# Allegro board S071AA-0413-20260427_Power.brd (continued)
## Routing (per net, layer and track width the routed paths; a pad name or vN(x,y) marks a point on that pad's centre or on a via; arc(x,y) is an arc through that point) (continued)
S1_DCH117: length 195.6
  L18_DIG w0.076: 138.29,217.83 139.92,217.83 v1(140.32,217.43)
  L18_DIG w0.132: 138.29,217.83 137.19,218.94 137.19,231.48 134.5,234.16 134.5,277.8 171.72,315.01 171.72,392.43 172.99,393.7
S1_DCH118: length 185.8
  L20_DIG w0.076: 138.29,216.23 140.72,216.23 v1(141.12,216.63)
  L20_DIG w0.132: 200.93,370.84 199.67,369.58 199.67,317.63 137.85,255.82 137.85,224.53 135.92,222.6 135.92,218.06 137.74,216.23 138.29,216.23
S1_DCH119: length 228.7
  L22_DIG w0.132: 246.65,373.38 245.57,372.31 245.57,306.4 205.5,266.32 155.69,266.32 139.37,250 139.37,243.06 138.15,241.84 138.15,219.6 v1(138.72,219.03)
S1_DCH120: length 175.9
  L07_DIG w0.076: v1(139.52,218.23) 139.12,218.63 138.5,218.63 138.29,218.83
  L07_DIG w0.132: 172.99,373.38 171.81,372.2 171.81,321.38 163.27,312.84 163.27,285.99 145.16,267.89 143.81,267.89 141.86,265.94 140.91,265.94 139.89,264.92 139.89,262.62 134.03,256.75 134.03,241.89 135.89,240.03 135.89,230.66 137.87,228.67 137.87,224.37 137.17,223.67 137.17,219.96 138.29,218.83
S1_DCH121: length 182.5
  L07_DIG w0.076: 148.72,206.68 148.72,208.23 v1(148.32,208.63)
  L07_DIG w0.132: 241.57,76.2 237.32,71.95 232.31,71.95 213.15,91.1 213.15,128.86 149.73,192.28 149.73,205.67 148.72,206.68
S1_DCH122: length 207.4
  L22_DIG w0.132: 162.83,76.2 169.09,69.94 205.23,69.94 207.7,72.41 207.7,134.87 150.44,192.13 150.44,205.71 v1(149.12,207.03)
S1_DCH123: length 184.1
  L18_DIG w0.076: 148.72,206.68 148.72,209.03 v1(148.32,209.43)
  L18_DIG w0.132: 175.53,78.74 180.31,83.52 202.87,83.52 210.42,91.08 210.42,132.44 151.2,191.66 151.2,204.2 148.72,206.68
S1_DCH124: length 175.7
  L05_DIG w0.076: 149.52,206.68 149.52,207.43 v1(149.12,207.83)
  L05_DIG w0.132: 185.69,78.74 192.97,86.02 206.54,86.02 214.13,93.62 214.13,129.38 149.93,193.59 149.93,206.27 149.52,206.68
S1_DCH125: length 186
  L18_DIG w0.076: 147.92,206.68 147.92,209.03 v1(147.52,209.43)
  L18_DIG w0.132: 170.45,78.74 177.87,86.16 202.01,86.16 208.64,92.79 208.64,131.44 150.15,189.94 150.15,204.45 147.92,206.68
S1_DCH126: length 130.2
  L03_DIG w0.132: 193.31,96.52 194.54,97.75 194.54,145.11 149.91,189.73 149.91,205.44 v1(148.32,207.03)
S1_DCH127: length 209.1
  L24_DIG w0.076: 148.72,206.68 148.72,207.43 v1(148.32,207.83)
  L24_DIG w0.132: 170.45,58.42 180.33,68.3 205.53,68.3 213.58,76.36 213.58,102.87 199.31,117.14 199.31,143.94 149.81,193.44 149.81,205.59 148.72,206.68
S1_DCH128: length 187.4
  L18_DIG w0.076: 147.12,206.68 147.12,209.03 v1(146.72,209.43)
  L18_DIG w0.132: 147.12,206.68 147.12,190.41 206.18,131.35 206.18,93.61 201.12,88.55 175.18,88.55 165.37,78.74
S1_DCH129: length 192.1
  L07_DIG w0.076: 147.12,206.68 147.12,208.23 v1(146.72,208.63)
  L07_DIG w0.132: 147.12,206.68 147.12,192.16 210.19,129.09 210.19,90.1 230.15,70.13 240.58,70.13 246.65,76.2
S1_DCH130: length 209.4
  L24_DIG w0.076: 147.12,206.68 147.12,207.43 v1(146.72,207.83)
  L24_DIG w0.132: 165.37,58.42 178.13,71.18 203.69,71.18 210.39,77.87 210.39,101.54 196.12,115.81 196.12,143.98 147.12,192.98 147.12,206.68
S1_DCH131: length 198.8
  L22_DIG w0.076: 147.92,206.68 147.92,207.43 v1(147.52,207.83)
  L22_DIG w0.132: 167.91,76.2 172.46,71.65 204,71.65 205.54,73.18 205.54,133.97 149.88,189.63 149.88,204.72 147.92,206.68
S1_DCH132: length 185.1
  L20_DIG w0.076: 147.92,206.68 147.92,208.23 v1(147.52,208.63)
  L20_DIG w0.132: 147.92,206.68 149.78,204.82 149.78,190.1 207.75,132.13 207.75,93.35 202.83,88.43 180.04,88.43 174.22,82.6 174.22,77.43 172.99,76.2
S1_DCH133: length 258.3
  L24_DIG w0.076: v1(143.52,221.43) 143.92,221.83 143.92,222.61
  L24_DIG w0.132: 143.92,222.61 143.92,223.19 145.53,224.8 145.53,229.67 144.44,230.76 144.44,231.66 145.2,232.42 145.2,233.01 144.53,233.68 144.53,234.67 145.53,235.67 145.53,248.07 155.03,257.57 217.06,257.57 236.91,277.42 236.91,279.72 241.57,284.38 243.87,284.38 255.56,296.07 255.56,392.45 256.81,393.7
S1_DCH134: length 129.8
  L03_DIG w0.132: v1(143.52,222.23) 145.15,223.86 145.15,230.07 144.48,230.74 144.48,231.88 144.82,232.21 144.82,233.16 144.56,233.42 144.56,234.67 145.15,235.26 145.15,256.97 187.05,298.88 187.05,331.56 188.23,332.74
S1_DCH135: length 195.4
  L18_DIG w0.076: v1(144.32,219.83) 144.72,220.23 144.72,222.58
  L18_DIG w0.132: 193.31,393.7 192.09,392.48 192.09,310.05 145.87,263.83 145.87,235.94 144.44,234.52 144.44,233.81 145.08,233.17 145.08,232.45 144.48,231.85 144.48,230.76 145.3,229.94 145.3,223.16 144.72,222.58
S1_DCH136: length 205.8
  L20_DIG w0.076: 144.72,222.61 144.72,221.03 v1(144.32,220.63)
  L20_DIG w0.132: 269.51,330.2 268.24,328.94 268.24,292.37 239.37,263.5 163.6,263.5 147.5,247.39 147.5,229.63 145.87,228 145.87,223.75 144.72,222.61
S1_DCH137: length 147
  L05_DIG w0.076: 144.72,222.61 144.72,221.83 v1(144.32,221.43)
  L05_DIG w0.132: 144.72,222.61 145.24,223.13 145.24,228.21 143.6,229.85 143.6,235.61 145.24,237.25 145.24,270.82 165.61,291.19 165.61,292.34 176.88,303.61 176.88,351.87 178.07,353.06
S1_DCH138: length 128.3
  L03_DIG w0.132: v1(144.32,222.23) 146.07,223.99 146.07,228.4 147.45,229.78 147.45,237.06 146.07,238.43 146.07,248.42 147.66,250.01 147.66,253.47 189.53,295.34 189.53,328.96 190.77,330.2
S1_DCH139: length 227.9
  L22_DIG w0.076: v1(145.12,221.43) 145.52,221.83 145.52,222.61
  L22_DIG w0.132: 254.27,370.84 253.17,369.74 253.17,302.07 240.75,289.64 240.75,286.77 235.25,281.28 235.25,279.72 213.69,258.15 156.89,258.15 147.37,248.63 147.37,224.45 145.52,222.61
S1_DCH140: length 254.6
  L24_DIG w0.132: v1(145.12,222.23) 147.39,224.5 147.39,247.03 156.13,255.77 220.22,255.77 230.9,266.45 230.9,267.87 234.48,271.44 235.9,271.44 258.05,293.6 258.05,389.86 259.35,391.16
S1_DCH141: length 191.3
  L18_DIG w0.076: 143.92,222.58 143.92,220.23 v1(143.52,219.83)
  L18_DIG w0.132: 143.92,222.58 143.92,224.2 143.48,224.64 143.48,261.63 144.37,262.52 144.37,266.44 170.56,292.63 170.56,293.91 189.49,312.84 189.49,389.88 190.77,391.16
S1_DCH142: length 228.2
  L20_DIG w0.076: 143.92,222.61 143.92,221.03 v1(143.52,220.63)
  L20_DIG w0.132: 266.97,353.06 265.78,351.87 265.78,294.29 238.48,266.99 164.26,266.99 145.12,247.85 145.12,235.27 144.49,234.64 144.49,233.96 145.12,233.33 145.12,232.37 144.4,231.66 144.4,230.84 145.12,230.12 145.12,223.81 143.92,222.61
S1_DCH143: length 193.5
  L18_DIG w0.076: 143.12,222.58 143.12,220.23 v1(142.72,219.83)
  L18_DIG w0.132: 143.12,222.58 143.12,243.57 142.2,244.48 142.2,267.9 165.41,291.1 165.41,292.01 186.96,313.56 186.96,392.43 188.23,393.7
S1_DCH144: length 223.7
  L20_DIG w0.076: v1(142.72,220.63) 143.12,221.03 143.12,222.61
  L20_DIG w0.132: 264.43,350.52 263.21,349.31 263.21,293.98 238.82,269.59 164.65,269.59 143.56,248.5 143.56,223.05 143.12,222.61
S1_DCH145: length 229.4
  L22_DIG w0.076: 143.12,222.61 143.12,221.83 v1(142.72,221.43)
  L22_DIG w0.132: 143.12,222.61 143.12,247.89 156.64,261.41 211.81,261.41 237.13,286.73 237.13,289.45 250.6,302.92 250.6,372.26 251.73,373.38
S1_DCH146: length 251.1
  L24_DIG w0.132: v1(142.72,222.23) 142.72,223.52 143.4,224.2 143.4,248.7 155.93,261.23 215.51,261.23 228.94,274.66 228.94,276.22 233.8,281.08 235.61,281.08 253.01,298.48 253.01,389.9 254.27,391.16
S1_DCH147: length 171.9
  L07_DIG w0.076: v1(141.92,220.63) 142.32,221.03 142.32,222.61
  L07_DIG w0.132: 142.32,222.61 143.52,223.81 143.52,233.61 145.26,235.35 145.26,250.27 176.97,281.98 176.97,284.84 187.01,294.88 187.01,372.16 188.23,373.38
S1_DCH148: length 143
  L05_DIG w0.076: v1(141.92,221.43) 142.32,221.83 142.32,222.61
  L05_DIG w0.132: 175.53,350.52 174.32,349.32 174.32,303.58 162.73,291.99 162.73,290.89 142.32,270.48 142.32,222.61
S1_DCH149: length 184.7
  L20_DIG w0.076: 149.52,206.68 149.52,208.23 v1(149.12,208.63)
  L20_DIG w0.132: 149.52,206.68 150.4,205.8 150.4,193.29 210.83,132.86 210.83,91.47 205.39,86.03 182.91,86.03 179.42,82.54 179.42,77.55 178.07,76.2
S1_DCH150: length 186.4
  L18_DIG w0.076: 149.52,206.68 149.52,209.03 v1(149.12,209.43)
  L18_DIG w0.132: 254.27,78.74 250.22,82.79 229.52,82.79 211.89,100.41 211.89,133.41 152.85,192.45 152.85,203.35 149.52,206.68
S1_DCH151: length 128.1
  L03_DIG w0.132: v1(149.92,207.03) 150.42,206.52 150.42,193.4 197.17,146.66 197.17,100.38 195.85,99.06
S1_DCH152: length 207.7
  L24_DIG w0.076: 150.32,206.68 150.32,207.43 v1(149.92,207.83)
  L24_DIG w0.132: 150.32,206.68 150.32,194.95 201.51,143.76 201.51,118.05 215.78,103.78 215.78,74.2 207.33,65.75 182.86,65.75 175.53,58.42
S1_DCH153: length 168.3
  L07_DIG w0.076: 150.32,206.68 150.32,208.23 v1(149.92,208.63)
  L07_DIG w0.132: 236.49,76.2 215.55,97.14 215.55,129.85 150.32,195.08 150.32,206.68
S1_DCH154: length 189.4
  L18_DIG w0.076: 150.32,206.68 150.32,209.03 v1(149.92,209.43)
  L18_DIG w0.132: 150.32,206.68 153.69,203.31 153.69,194.25 213.84,134.09 213.84,101.37 230.75,84.46 253.63,84.46 259.35,78.74
S1_DCH155: length 189.7
  L22_DIG w0.132: v1(150.72,207.03) 151.14,206.61 151.14,193.73 209.33,135.54 209.33,70.08 206.06,66.82 194.09,66.82 185.69,58.42
S1_DCH156: length 176.6
  L05_DIG w0.076: 151.12,206.68 151.12,207.43 v1(150.72,207.83)
  L05_DIG w0.132: 190.77,78.74 195.24,83.22 210.35,83.22 217.44,90.31 217.44,130.24 151.12,196.56 151.12,206.68
S1_DCH157: length 184.9
  L20_DIG w0.076: v1(150.72,208.63) 151.12,208.23 151.12,206.68
  L20_DIG w0.132: 151.12,206.68 151.12,196.64 214.25,133.5 214.25,89.28 208.44,83.47 185.85,83.47 184.45,82.07 184.45,77.5 183.15,76.2
S1_DCH158: length 192.5
  L18_DIG w0.076: v1(150.72,209.43) 151.12,209.03 151.12,206.68
  L18_DIG w0.132: 151.12,206.68 155.34,202.46 155.34,195.11 215.86,134.58 215.86,102.15 231.64,86.38 256.79,86.38 264.43,78.74
S1_DCH159: length 188.9
  L22_DIG w0.076: v1(151.52,207.83) 151.92,207.43 151.92,206.68
  L22_DIG w0.132: 190.77,58.42 197.09,64.74 207.51,64.74 211.45,68.69 211.45,138.48 152.65,197.29 152.65,203 151.92,203.72 151.92,206.68
S1_DCH160: length 205.5
  L24_DIG w0.132: 180.61,58.42 185.38,63.19 208.79,63.19 218.23,72.64 218.23,104.79 203.96,119.06 203.96,143.46 152.61,194.81 152.61,205.93 v1(151.52,207.03)
S1_DCH161: length 130.6
  L03_DIG w0.132: 198.39,96.52 199.63,97.76 199.63,150.18 153.73,196.08 153.73,205.62 v1(152.32,207.03)
S1_DCH162: length 185.7
  L24_DIG w0.132: 236.49,55.88 220.38,71.99 220.38,105.68 206.11,119.95 206.11,146.39 155.06,197.43 155.06,205.09 v1(153.12,207.03)
S1_DCH163: length 166.1
  L07_DIG w0.076: v1(151.52,208.63) 151.92,208.23 151.92,206.68
  L07_DIG w0.132: 151.92,206.68 152.68,205.92 152.68,197.58 218.99,131.28 218.99,98.78 239.03,78.74
S1_DCH164: length 187.1
  L22_DIG w0.076: v1(152.32,207.83) 152.72,207.43 152.72,206.68
  L22_DIG w0.132: 152.72,206.68 152.72,204.83 153.7,203.85 153.7,198.7 153.93,198.47 213.56,138.84 213.56,67.62 209.08,63.14 200.57,63.14 195.85,58.42
S1_DCH165: length 206.4
  L18_DIG w0.076: 154.27,209.83 151.92,209.83 v1(151.52,210.23)
  L18_DIG w0.132: 154.27,209.83 163.1,209.83 220.31,152.62 220.31,103.32 233.59,90.04 263.29,90.04 274.59,78.74
S1_DCH166: length 194.6
  L24_DIG w0.132: 241.57,55.88 240.3,57.15 240.3,61.47 239.1,62.67 233.74,62.67 222.97,73.45 222.97,106.75 208.7,121.03 208.7,154.43 173.98,189.14 173.98,193.28 161.76,205.5 156.25,205.5 v1(153.92,207.83)
S1_DCH167: length 185.2
  L22_DIG w0.076: 153.52,206.68 153.52,207.43 v1(153.12,207.83)
  L22_DIG w0.132: 153.52,206.68 153.52,205.71 155.05,204.18 155.05,199.59 215.86,138.78 215.86,67.24 209.03,60.41 202.92,60.41 200.93,58.42
S1_DCH168: length 195.4
  L18_DIG w0.076: 151.92,206.68 151.92,209.03 v1(151.52,209.43)
  L18_DIG w0.132: 151.92,206.68 155.92,202.68 155.92,197.11 218.12,134.91 218.12,103.11 232.83,88.4 259.85,88.4 269.51,78.74
S1_DCH169: length 172.2
  L07_DIG w0.076: 154.27,209.03 152.72,209.03 v1(152.32,209.43)
  L07_DIG w0.132: 244.11,78.74 222.35,100.49 222.35,145.41 158.73,209.03 154.27,209.03
S1_DCH170: length 193.8
  L22_DIG w0.076: v1(153.12,208.63) 153.52,208.23 154.27,208.23
  L22_DIG w0.132: 154.27,208.23 159.82,208.23 183.01,185.04 185.17,185.04 221.88,148.34 221.88,70.41 231.03,61.25 236.19,61.25 239.03,58.42
S1_DCH171: length 183.1
  L05_DIG w0.132: v1(153.92,207.03) 155.94,205.01 155.94,198.41 220.55,133.8 220.55,86.79 205.64,71.88 197.63,71.88 193.31,76.2
S1_DCH172: length 194.3
  L20_DIG w0.076: v1(152.32,208.63) 152.72,208.23 152.72,206.68
  L20_DIG w0.132: 152.72,206.68 153.74,205.66 153.74,199.24 217.41,135.57 217.41,65.43 206.49,54.52 199.75,54.52 198.39,55.88
S1_DCH173: length 192.9
  L20_DIG w0.076: v1(141.12,214.23) 140.72,213.83 138.29,213.83
  L20_DIG w0.132: 193.31,373.38 192.17,372.24 192.17,323.45 162.97,294.25 162.97,290.93 134.8,262.76 134.8,232.33 135.83,231.3 135.83,225.94 132.44,222.56 132.44,216.53 135.15,213.83 138.29,213.83
S1_DCH174: length 248.9
  L24_DIG w0.076: 138.29,214.63 139.92,214.63 v1(140.32,214.23)
  L24_DIG w0.132: 239.03,391.16 237.87,390.01 237.87,322.53 189.46,274.11 147.82,274.11 134.14,260.43 134.14,233.75 135.89,232 135.89,215.92 137.18,214.63 138.29,214.63
S1_DCH175: length 189.3
  L20_DIG w0.076: v1(141.12,215.03) 140.72,214.63 138.29,214.63
  L20_DIG w0.132: 138.29,214.63 135.82,214.63 133.25,217.2 133.25,222.19 136.48,225.42 136.48,232.57 135.67,233.38 135.67,261.79 165.44,291.56 165.44,294.05 194.64,323.25 194.64,369.63 195.85,370.84
S1_DCH176: length 249.4
  L24_DIG w0.076: 138.29,215.43 139.92,215.43 v1(140.32,215.03)
  L24_DIG w0.132: 138.29,215.43 137.52,215.43 136.54,216.4 136.54,232.48 135.49,233.53 135.49,256.96 150.58,272.05 190.56,272.05 240.46,321.95 240.46,392.59 241.57,393.7
S1_DCH177: length 222.9
  L22_DIG w0.076: 138.29,215.43 139.12,215.43 v1(139.52,215.03)
  L22_DIG w0.132: 244.11,370.84 242.97,369.71 242.97,320.93 207.4,285.36 206.57,285.36 202.93,281.72 202.93,280.05 190.7,267.82 154.94,267.82 137.35,250.23 137.35,216.38 138.29,215.43
S1_DCH178: length 134.1
  L03_DIG w0.132: 167.91,332.74 166.72,331.55 166.72,309.97 133.47,276.72 133.47,235.49 136.36,232.59 136.36,217.39 v1(138.72,215.03)
S1_DCH179: length 176.5
  L07_DIG w0.076: v1(139.52,215.83) 139.12,216.23 138.29,216.23
  L07_DIG w0.132: 138.29,216.23 135.32,219.21 135.32,225.21 135.84,225.74 135.84,228.19 134.7,229.33 134.7,234 128.54,240.16 128.54,260.85 144.96,277.26 146.35,277.26 149.76,280.68 149.76,282.07 157.73,290.03 157.73,315.03 163.96,321.26 163.96,369.43 165.37,370.84
S1_DCH180: length 151.9
  L05_DIG w0.076: v1(138.72,215.83) 138.29,216.26
  L05_DIG w0.132: 138.29,216.26 136.84,217.71 136.84,232.84 135.55,234.13 135.55,273.06 166.67,304.19 166.67,351.82 167.91,353.06
S1_DCH181: length 133.4
  L03_DIG w0.132: v1(138.72,213.43) 135.86,216.29 135.86,231.44 131.96,235.33 131.96,278.42 164.01,310.47 164.01,328.84 165.37,330.2
S1_DCH182: length 224.2
  L22_DIG w0.076: 138.29,213.83 139.12,213.83 v1(139.52,213.43)
  L22_DIG w0.132: 239.03,370.84 237.94,369.76 237.94,322.42 187.46,271.93 154.04,271.93 132.88,250.78 132.88,234.33 135.87,231.34 135.87,216.25 138.29,213.83
S1_DCH183: length 151
  L05_DIG w0.076: 138.29,214.66 v1(138.72,214.23)
  L05_DIG w0.132: 138.29,214.66 135.85,217.1 135.85,232.93 134.31,234.47 134.31,274.73 164.01,304.44 164.01,349.17 165.37,350.52
S1_DCH184: length 226.2
  L22_DIG w0.076: 138.29,214.63 139.12,214.63 v1(139.52,214.23)
  L22_DIG w0.132: 241.57,373.38 240.44,372.25 240.44,322.01 187.81,269.38 153.54,269.38 134.39,250.23 134.39,234.9 136.63,232.66 136.63,216.3 138.29,214.63
S1_DCH185: length 128.4
  L03_DIG w0.132: v1(151.52,222.23) 153.55,224.26 153.55,238.85 198.8,284.1 198.8,295.12 199.72,296.04 199.72,328.99 200.93,330.2
S1_DCH186: length 239.1
  L20_DIG w0.076: v1(149.12,220.63) 149.52,221.03 149.52,222.61
  L20_DIG w0.132: 149.52,222.61 151.19,224.28 162.94,224.28 176.8,238.14 217.36,238.14 271.53,183.97 271.53,129.83 273.24,128.12 273.24,100.53 274.58,99.18
S1_DCH187: length 262.5
  L24_DIG w0.076: v1(148.32,221.43) 148.72,221.83 148.72,222.61
  L24_DIG w0.132: 148.72,222.61 149.94,223.82 149.94,239.35 159.33,248.74 229.48,248.74 264.62,283.88 264.62,292.23 265.71,293.31 265.71,392.44 266.97,393.7
S1_DCH188: length 142.8
  L05_DIG w0.132: 185.69,350.52 184.43,349.26 184.43,299.56 152.82,267.94 152.82,224.33 v1(150.72,222.23)
S1_DCH189: length 130.1
  L03_DIG w0.132: 193.31,332.74 192.09,331.52 192.09,296.99 190.93,295.83 190.93,290.81 148,247.89 148,224.31 v1(145.92,222.23)
S1_DCH190: length 143.1
  L05_DIG w0.076: v1(146.72,221.43) 147.12,221.83 147.12,222.61
  L05_DIG w0.132: 180.61,350.52 179.42,349.33 179.42,300.66 147.95,269.19 147.95,223.44 147.12,222.61
S1_DCH191: length 258.3
  L24_DIG w0.076: 146.32,222.61 146.32,221.83 v1(145.92,221.43)
  L24_DIG w0.132: 261.89,393.7 260.65,392.46 260.65,291.54 221.98,252.86 157.04,252.86 148.02,243.85 148.02,224.31 146.32,222.61
S1_DCH192: length 152.1
  L07_DIG w0.076: 146.32,222.61 146.32,221.03 v1(145.92,220.63)
  L07_DIG w0.132: 146.32,222.61 146.32,223.74 148.5,225.92 148.5,244.69 190.82,287.02 190.82,309.34 192.13,310.64 192.13,351.88 193.31,353.06
S1_DCH193: length 169.1
  L07_DIG w0.076: v1(145.12,220.63) 145.52,221.03 145.52,222.61
  L07_DIG w0.132: 190.77,370.84 189.54,369.61 189.54,290.04 147.87,248.37 147.87,227 145.52,224.65 145.52,222.61
S1_DCH194: length 192.3
  L18_DIG w0.076: 145.52,222.58 145.52,220.23 v1(145.12,219.83)
  L18_DIG w0.132: 195.85,391.16 194.62,389.93 194.62,309.78 147.38,262.54 147.38,224.44 145.52,222.58
S1_DCH195: length 151
  L07_DIG w0.076: 150.32,222.61 150.32,221.03 v1(149.92,220.63)
  L07_DIG w0.132: 150.32,222.61 152.73,225.02 152.73,237.97 198.41,283.66 198.41,303.36 199.74,304.68 199.74,349.33 200.93,350.52
S1_DCH196: length 171.5
  L18_DIG w0.076: 149.52,222.58 149.52,220.23 v1(149.12,219.83)
  L18_DIG w0.132: 149.52,222.58 151.22,224.28 151.22,238.45 240.28,327.52 240.28,351.77 241.57,353.06
S1_DCH197: length 234.8
  L22_DIG w0.076: v1(149.92,221.43) 150.32,221.83 150.32,222.61
  L22_DIG w0.132: 261.89,373.38 260.77,372.26 260.77,289.84 222.44,251.52 160.18,251.52 151.06,242.39 151.06,223.34 150.32,222.61
S1_DCH198: length 219.5
  L24_DIG w0.132: v1(149.92,222.23) 149.92,222.84 150.99,223.91 150.99,236.45 160.94,246.4 232.15,246.4 268.27,282.53 268.27,349.29 269.51,350.52
S1_DCH199: length 168.8
  L18_DIG w0.076: 148.72,222.58 148.72,220.23 v1(148.32,219.83)
  L18_DIG w0.132: 148.72,222.58 150.59,224.45 150.59,241.77 179.92,271.1 180.84,271.1 237.67,327.92 237.67,349.16 239.03,350.52
S1_DCH200: length 196.9
  L18_DIG w0.076: 147.92,222.58 147.92,220.23 v1(147.52,219.83)
  L18_DIG w0.132: 203.4,393.59 202.12,392.31 202.12,307.92 177.05,282.85 177.05,282.15 149.96,255.06 149.96,224.63 147.92,222.58
S1_DCH201: length 230.5
  L22_DIG w0.076: 149.52,222.61 149.52,221.83 v1(149.12,221.43)
  L22_DIG w0.132: 259.35,370.84 258.23,369.72 258.23,292.4 218.9,253.07 158.46,253.07 150.09,244.7 150.09,224.55 149.52,223.98 149.52,222.61
S1_DCH202: length 131.2
  L03_DIG w0.132: 198.39,332.74 197.16,331.51 197.16,296.64 195.79,295.27 195.79,285.06 151.09,240.36 151.09,225 v1(148.32,222.23)
S1_DCH203: length 153.2
  L07_DIG w0.076: 148.72,222.61 148.72,221.03 v1(148.32,220.63)
  L07_DIG w0.132: 198.39,353.06 197.15,351.82 197.15,305.27 195.71,303.83 195.71,284.96 150.96,240.21 150.96,224.85 148.72,222.61
S1_DCH204: length 144.9
  L05_DIG w0.132: v1(149.12,222.23) 149.95,223.06 149.95,267.68 181.93,299.66 181.93,351.84 183.15,353.06
S1_DCH205: length 235.8
  L20_DIG w0.076: 151.26,222.61 151.12,222.47 151.12,221.03 v1(150.72,220.63)
  L20_DIG w0.132: 272.16,96.38 270.83,97.71 270.83,127.93 269.07,129.69 269.07,182.19 214.28,236.98 177.95,236.98 164.37,223.41 152.06,223.41 151.26,222.61
S1_DCH206: length 236.6
  L22_DIG w0.132: 266.97,373.38 265.9,372.31 265.9,293.32 264.72,292.14 264.72,283.97 226.73,245.99 161.44,245.99 153.71,238.26 153.71,222.83 v1(153.12,222.23)
S1_DCH207: length 175.5
  L18_DIG w0.076: 154.27,220.31 154.19,220.23 151.92,220.23 v1(151.52,219.83)
  L18_DIG w0.132: 154.27,220.31 155.04,221.07 155.04,222.11 156.3,223.38 161.46,223.38 229.06,290.98 229.06,306.97 247.92,325.83 247.92,349.25 249.19,350.52
S1_DCH208: length 169.7
  L18_DIG w0.076: 150.32,222.58 150.32,220.23 v1(149.92,219.83)
  L18_DIG w0.132: 244.11,350.52 242.91,349.32 242.91,327.55 152.62,237.25 152.62,224.88 150.32,222.58
S1_DCH209: length 222.6
  L24_DIG w0.132: 274.59,350.52 273.29,349.22 273.29,292.15 272.59,291.45 272.59,277.62 237.36,242.39 162.8,242.39 153.67,233.27 153.67,223.58 v1(152.32,222.23)
S1_DCH210: length 224
  L24_DIG w0.076: 151.12,222.61 151.12,221.83 v1(150.72,221.43)
  L24_DIG w0.132: 151.12,222.61 152.62,224.11 152.62,234.97 161.64,243.99 233.55,243.99 270.78,281.23 270.78,351.79 272.05,353.06
S1_DCH211: length 233.6
  L22_DIG w0.076: v1(151.52,221.43) 151.92,221.83 151.92,222.57 151.95,222.61
  L22_DIG w0.132: 151.95,222.61 152.71,223.36 152.71,240.69 160.63,248.61 224.6,248.61 262.14,286.15 262.14,292.65 263.26,293.77 263.26,369.67 264.43,370.84
S1_DCH212: length 153.9
  L07_DIG w0.076: v1(151.52,220.63) 151.92,221.03 151.92,222.61
  L07_DIG w0.132: 203.47,353.06 202.3,351.89 202.3,303.64 201.12,302.45 201.12,282.96 153.66,235.5 153.66,224.35 151.92,222.61
S1_DCH213: length 150.2
  L07_DIG w0.076: 154.27,220.31 154.19,220.23 152.72,220.23 v1(152.32,219.83)
  L07_DIG w0.132: 154.27,220.31 155.12,221.16 155.12,222.06 156.58,223.52 161.7,223.52 228.86,290.68 228.86,301.89 237.75,310.78 237.75,328.92 239.03,330.2
S1_DCH214: length 223.1
  L20_DIG w0.076: 154.27,221.04 154.26,221.03 152.72,221.03 v1(152.32,220.63)
  L20_DIG w0.132: 269.25,98.98 268.28,99.95 268.28,127.81 265.36,130.73 265.36,181.14 213.91,232.59 176.27,232.59 165.5,221.83 155.18,221.83 154.39,221.04 154.27,221.04
S1_DCH215: length 146.5
  L05_DIG w0.076: 152.88,222.61 152.72,222.45 152.72,221.83 v1(152.32,221.43)
  L05_DIG w0.132: 152.88,222.61 154.99,224.72 154.99,267.02 186.97,298.99 186.97,351.8 188.23,353.06
S1_DCH216: length 131
  L03_DIG w0.132: v1(153.92,222.23) 155.21,223.52 155.21,235.79 201.34,281.92 201.34,294.95 202.25,295.86 202.25,331.52 203.47,332.74
S1_DCH217: length 238.5
  L22_DIG w0.076: v1(153.12,221.43) 153.52,221.03 154.27,221.03
  L22_DIG w0.132: 269.51,370.84 268.33,369.66 268.33,281.84 229.91,243.42 162.18,243.42 155.47,236.71 155.47,222.23 154.27,221.03
S1_DCH218: length 227.7
  L24_DIG w0.132: 277.13,353.06 275.84,351.77 275.84,287.21 274.82,286.19 274.82,274.59 241,240.77 164.08,240.77 155.99,232.67 155.99,223.5 v1(153.92,221.43)
S1_DCH219: length 173.6
  L18_DIG w0.076: v1(150.72,219.83) 151.12,220.23 151.12,222.58
  L18_DIG w0.132: 151.12,222.58 153.55,225.01 153.55,236.06 155.23,237.74 156.39,237.74 245.44,326.79 245.44,351.85 246.65,353.06
S1_DCH220: length 145.9
  L05_DIG w0.076: v1(153.12,220.63) 153.52,221.03 154.27,221.03
  L05_DIG w0.132: 154.27,221.03 156.02,222.78 156.02,256.5 189.5,289.98 189.5,349.25 190.77,350.52
S1_DCH221: length 236.1
  L22_DIG w0.076: 154.27,220.23 153.52,220.23 v1(153.12,219.83)
  L22_DIG w0.132: 154.27,220.23 155.12,220.23 155.63,220.74 159.28,220.74 171.24,232.7 222.84,232.7 270.93,280.78 270.93,372.26 272.05,373.38
S1_DCH222: length 205.7
  L03_DIG w0.132: v1(153.92,219.03) 156.27,221.38 161.93,221.38 169.45,228.9 207.03,228.9 250.58,185.34 250.58,100.45 249.19,99.06
S1_DCH223: length 214.3
  L03_DIG w0.132: v1(153.92,220.63) 157.06,223.77 161.76,223.77 169.19,231.2 209.87,231.2 254.14,186.93 254.14,137.61 252.93,136.41 252.93,97.73 251.73,96.52
S1_DCH224: length 258.9
  L24_DIG w0.132: 274.59,58.42 273.37,59.64 273.37,139.67 254.9,158.14 254.9,184.42 208.52,230.81 168.7,230.81 162.19,224.3 160.07,224.3 157.26,221.49 155.58,221.49 v1(153.92,219.83)
S1_DCH225: length 217.4
  L20_DIG w0.076: 154.27,219.43 152.72,219.43 v1(152.32,219.03)
  L20_DIG w0.132: 264.31,99.08 263.25,100.14 263.25,127.91 261.41,129.76 261.41,179.77 209.93,231.25 178.07,231.25 167.63,220.81 155.76,220.81 154.38,219.43 154.27,219.43
S1_DCH226: length 222.2
  L05_DIG w0.076: 154.27,219.43 153.52,219.43 v1(153.12,219.03)
  L05_DIG w0.132: 261.89,96.52 263.15,97.78 263.15,136.75 262.42,137.48 262.42,183.53 214.37,231.58 172.35,231.58 161.83,221.05 156.78,221.05 155.16,219.43 154.27,219.43
S1_DCH227: length 181.7
  L18_DIG w0.076: 154.27,219.52 154.18,219.43 151.92,219.43 v1(151.52,219.03)
  L18_DIG w0.132: 250.48,351.81 251.49,352.82 ; 250.48,351.81 250.48,324.9 231.52,305.94 231.52,290.98 162.12,221.59 156.33,221.59 154.27,219.52 ; 250.48,351.81 251.73,353.06
S1_DCH228: length 180.6
  L18_DIG w0.076: 154.27,218.63 151.92,218.63 v1(151.52,218.23)
  L18_DIG w0.132: 254.27,350.52 252.96,349.21 252.96,323.44 234.18,304.66 234.18,291.13 163.62,220.57 156.21,220.57 154.27,218.63
S1_DCH229: length 188
  L18_DIG w0.076: v1(151.52,217.43) 151.92,217.83 154.27,217.83
  L18_DIG w0.132: 154.27,217.83 155.48,219.04 158.83,219.04 160.28,217.59 161.07,217.59 161.65,218.18 162.55,218.18 163.08,217.65 163.88,217.65 204.61,258.39 204.61,259.31 255.54,310.23 255.54,351.79 256.81,353.06
S1_DCH230: length 156.5
  L07_DIG w0.076: v1(152.32,217.43) 152.72,217.83 154.27,217.83
  L07_DIG w0.132: 244.11,330.2 242.92,329.01 242.92,308.38 233.78,299.25 233.78,290.33 162.55,219.1 161.71,219.1 160.89,219.92 160.2,219.92 159.38,219.1 156.48,219.1 155.22,217.83 154.27,217.83